# Altium PCB MB1261.PcbDoc (part 3 of 6)
Units mil, origin at the board's own origin, x right, y up, seen from the top; angles counter-clockwise.
Board outline 5119.1 x 2638.79 mil, 6 copper layers (TOP, L2_GND, L3_SIG, L4_VCC, L5_GND, BOTTOM), stack 61 mil thick; 336 components, 316 nets, 1358 pads, 871 vias.
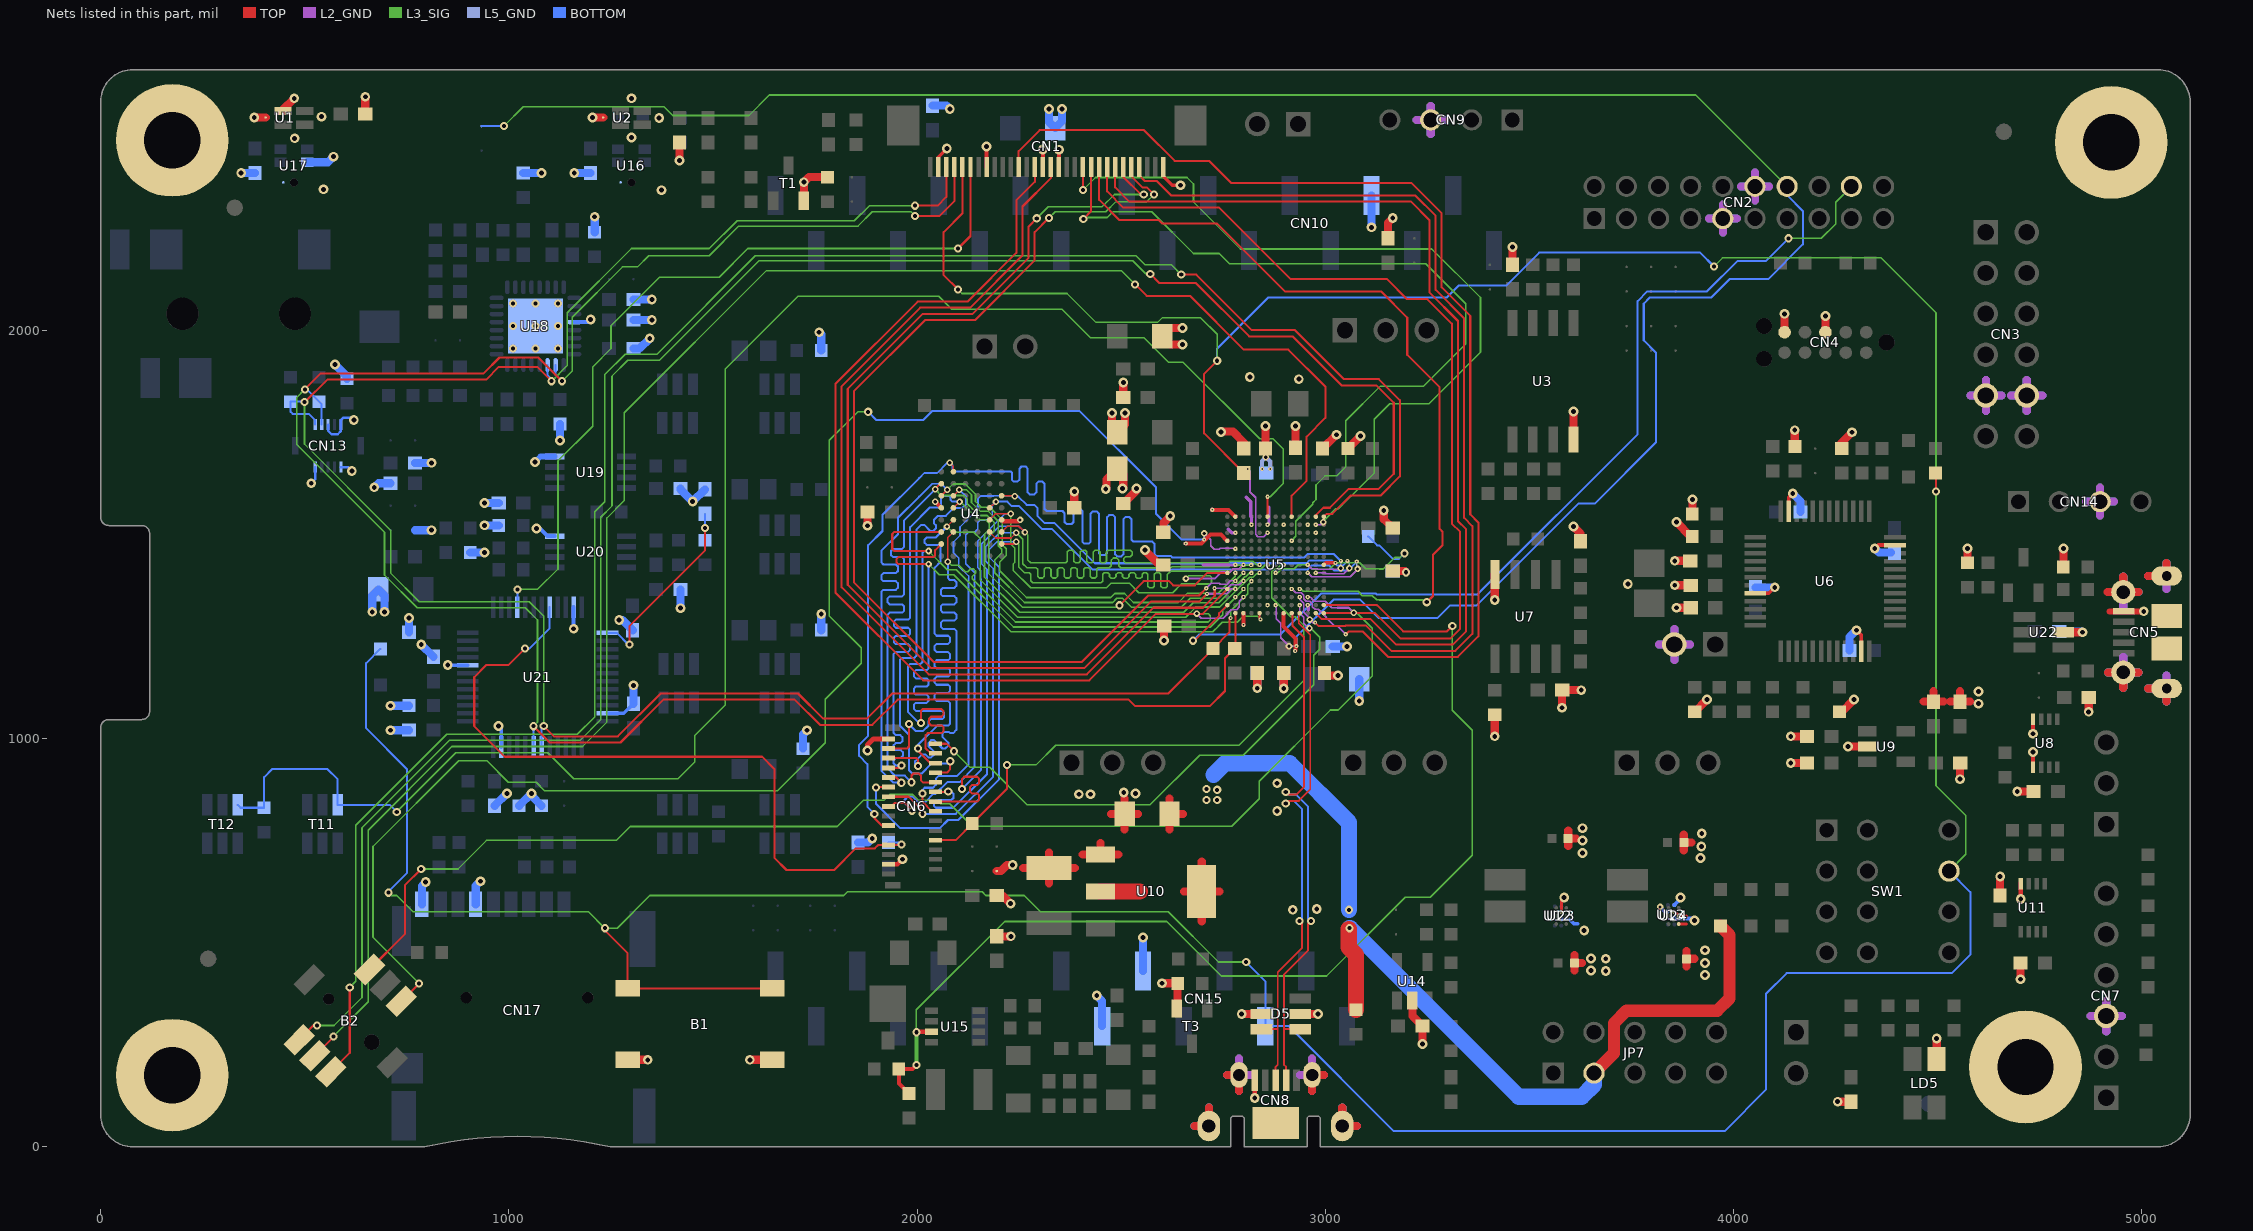
[diagram p7: the nets of this part, all layers, seen from the top]

## Via types
v1: diameter 20, hole 10, TOP to BOTTOM, tented both sides, 317 vias
v2: diameter 24, hole 12, TOP to BOTTOM, tented both sides, 289 vias
v3: diameter 10, hole 4, TOP to L2_GND, tented both sides, 76 vias
v4: diameter 10, hole 4, TOP to L3_SIG, tented both sides, 63 vias
v5: diameter 16, hole 8, L2_GND to L5_GND, tented both sides, 52 vias
v6: diameter 16, hole 8, TOP to BOTTOM, tented both sides, 43 vias
v7: diameter 10, hole 4, L5_GND to BOTTOM, tented both sides, 31 vias

## Nets (pads, with @x,y where several pads share a name; then routed paths per layer and width w, separated by ;. In a path a pad name is that pad's centre, name@x,y a point inside that pad or via, vN(x,y) a via of type N, cw(c..) or ccw(c..) an arc to the next point about the centre after c; other vN are vias at no path point) (continued)
D2: CN6.16 U4.C6 U5.B8 | length 2050.4
  TOP w4: U4.C6@2206.92,1594.29 2237.71,1594.29 v6(2239,1593)
  TOP w5: v1(2013.44,865) 2013.44,844.03 2035.95,821.52 CN6.16@2044.44,821.52
  L2_GND w3.5: v3(2976.53,1405.31) 2999.69,1405.31 3001.94,1403.06 3025.94,1403.06 3026,1403 3045,1403 v5(3059,1417)
  L5_GND w3.5: v7(3054,1434.84) 3058,1430.84 3058,1418 v5(3059,1417)
  BOTTOM w4: 2126,1390 2126,1398 2102,1422 2102,1442 2089,1455 2089,1481 2105,1497 2105,1518 2149,1562 2149,1586.9 2156,1593.9 2187.1,1593.9 2187.2,1594 2238,1594 v6(2239,1593)
  BOTTOM w5: v1(2013.44,865) 2013.44,873.81 2018.63,879 2038.78,879 2046,886.22 2046,901 2052.98,907.98 2097.76,907.98 2126,936.22 2126,1390 ; v6(2239,1593) 2240,1592 2248,1592 2268,1572 2287,1572 2294.5,1564.5 2294.5,1545.5 2312.5,1527.5 2336.72,1527.5 2435.22,1429 2954,1429 2961,1436 3016,1436 3029,1423 3042.16,1423 v7(3054,1434.84)
D3: CN6.15 U4.D5 U5.C8 | length 2179.3
  TOP w4: U4.D5@2177.39,1564.76 2177.76,1564.76 v6(2193,1580)
  TOP w5: CN6.15@1930.26,833.33 1936.38,833.33 1945,841.95 1969.53,841.95 1987.04,824.44 v1(1987.04,822.88)
  L2_GND w3.5: v3(2956.84,1405.31) 2966.59,1395.56 3022.83,1395.56 3022.89,1395.5 3060.49,1395.5 3079,1414 v5(3079,1415)
  L5_GND w3.5: v7(3076.89,1432.88) 3076.89,1416.11 3079,1414 v5(3079,1415)
  BOTTOM w4: 2141,1390 2141,1406 2119,1428 2119,1498 2126,1505 2141,1505 2148,1512 2148,1528 2155,1535 2177,1535 2184,1542 2184,1571 v6(2193,1580)
  BOTTOM w5: v1(1987.04,822.88) 1987.04,823.96 1969,842 1969,849 1978,858 1988,858 2001,845 2020.7,845 2039.7,864 2045,864 2073.98,892.98 2103.98,892.98 2141,930 2141,1390 ; v6(2193,1580) 2221,1580 2232,1569 2249.78,1569 2306.28,1512.5 2330.5,1512.5 2429,1414 2957,1414 2967,1424 3009,1424 3022,1411 3055,1411 v7@3076.77,1432.77 ; v7@3076.78,1432.77 v7(3076.89,1432.88)
D4: CN6.14 U4.E5 U5.L7 | length 1968
  TOP w4: U4.E5@2177.39,1535.24 2192.15,1550 v6(2229,1550)
  TOP w5: CN6.14@2044.44,845.14 2147,845.14 2152,850.14 2152,860.32 2147,865.32 2134,865.32 2129,870.32 2129,880.32 2134,885.32 2147,885.32 2152,890.32 2152,901 2147,906 2115.12,906 2110.12,901 v1(2110.12,876.26)
  L2_GND w3.5: 2766,1407.5 2773.75,1415.25 2789.61,1415.25 v3(2799.36,1425)
  L2_GND w5: v5(2658.48,1391.52) 2729.02,1391.52 2745,1407.5 2766,1407.5
  L3_SIG w4: v6(2229,1550) 2229,1476.2 2239,1466.2 2239,1431 2235,1427 2235,1412 2278,1369 2464,1369 2475,1380 2519.98,1380 2542.98,1357 2626,1357 2647.25,1378.25 2718.25,1378.25 2721,1381 2721,1394.72 2717.39,1398.33 2665.29,1398.33 v5(2658.48,1391.52)
  BOTTOM w4: 2156,1390 2156,1411 2148,1419 2148,1483 2215,1550 v6(2229,1550)
  BOTTOM w5: v1(2110.12,876.26) 2156,922.14 2156,1390
D5: CN6.13 U4.F5 U5.K7 | length 1940.2
  TOP w4: U4.F5@2177.39,1505.71 2192.1,1491 2230,1491 v6(2243,1504)
  TOP w5: CN6.13@1930.26,856.95 1979.3,856.95 2006.62,829.63 2006.62,822.23 v1(2013.45,815.4)
  L3_SIG w4: v6(2243,1504) 2259,1488 2259,1428 2269,1418 2291.08,1418 2295.08,1414 2295.08,1397 2299.08,1393 2307.08,1393 2311.08,1397 2311.08,1414 2315.08,1418 2323.95,1418 2327.95,1414 2327.95,1397 2331.95,1393 2339.95,1393 2343.95,1397 2343.95,1414 2347.95,1418 2355.95,1418 2359.95,1414 2359.95,1397 2363.95,1393 2371.95,1393 2375.95,1397 2375.95,1414 2379.95,1418 2387.95,1418 2391.95,1414 2391.95,1397 2395.95,1393 2403.95,1393 2407.95,1397 2407.95,1414 2411.95,1418 2419.95,1418 2423.95,1414 2423.95,1397 2427.95,1393 2435.95,1393 2439.95,1397 2439.95,1414 2443.95,1418 2470.76,1418 2475.76,1423 2475.76,1437 2480.76,1442 2489,1442 2494,1437 2494,1423 2499,1418 2622.08,1418 2624.08,1420 2764,1420 2768.3,1424.3 v4(2817.7,1424.3)
  BOTTOM w4: 2186,1390 2186,1416 2168,1434 2168,1470 2202,1504 v6(2243,1504)
  BOTTOM w5: v1(2013.45,815.4) 2013.85,815 2094.84,815 2186,906.16 2186,1390
D6: CN6.12 U4.F6 U5.J7 | length 1947.9
  TOP w4: U4.F6@2206.92,1505.71 2221.21,1520 2249.03,1520 v6@2260,1509.03
  TOP w5: CN6.12@2044.44,868.76 2075.23,868.76 v1(2076.16,869.69) ; v6@2260,1509.03 v6(2263.98,1505.05)
  L3_SIG w3.5: 2797,1434 2812.91,1434 2812.96,1434.05 2822.48,1434.05 2831.53,1425 v4(2838.73,1425)
  L3_SIG w4: v6(2263.98,1505.05) 2271,1498.03 2271,1437 2278,1430 2363.76,1430 2367.76,1434 2367.76,1457 2371.76,1461 2379.76,1461 2383.76,1457 2383.76,1434 2387.76,1430 2395.76,1430 2399.76,1434 2399.76,1457 2403.76,1461 2411.76,1461 2415.76,1457 2415.76,1434 2419.76,1430 2427.76,1430 2431.76,1434 2431.76,1457 2435.76,1461 2443.76,1461 2447.76,1457 2447.76,1434 2451.76,1430 2459.76,1430 2463.76,1434 2463.76,1457 2467.76,1461 2522.36,1461 2527,1456.36 2527,1449.8 2522.36,1445.16 2510.44,1445.16 2506,1440.72 2506,1434.44 2510.44,1430 2762.68,1430 2766.68,1434 2797,1434
  BOTTOM w4: 2171,1390 2171,1414 2158,1427 2158,1477 2201,1520 2249.03,1520 v6@2260,1509.03
  BOTTOM w5: v1(2076.16,869.69) 2084,869.69 2089,864.69 2089,854 2084,849 2045.92,849 2040.92,844 2040.92,835 2045.92,830 2088.62,830 2171,912.38 2171,1390 ; v6@2260,1509.03 v6(2263.98,1505.05)
D7: CN6.11 U4.G6 U5.H7 | length 2046.5
  TOP w4: U4.G6@2206.92,1476.18 2237.18,1476.18 v6(2243,1482)
  TOP w5: v1(1899.26,880) 1899.83,880.57 CN6.11@1930.26,880.57
  L3_SIG w3.5: 2617.1,1406 2621.1,1410 2767,1410 2773,1416 2811.51,1416 2812.96,1414.55 2821.04,1414.55 2821.55,1415.06 2843.06,1415.06 2853,1425 v4(2858.41,1425)
  L3_SIG w4: v6(2243,1482) 2249,1476 2249,1420 2263,1406 2274.32,1406 2278.32,1402 2278.32,1386 2283.32,1381 2450.32,1381 2454.32,1385 2454.32,1402 2458.32,1406 2467.12,1406 2471.12,1402 2471.12,1396 2475.12,1392 2483.12,1392 2487.12,1396 2487.12,1401.31 2491.81,1406 2498.43,1406 2503.12,1401.31 2503.12,1396 2507.12,1392 2515.12,1392 2519.12,1396 2519.12,1402 2523.12,1406 2531.12,1406 2535.12,1402 2535.12,1396 2539.12,1392 2547.12,1392 2551.12,1396 2551.12,1402 2555.12,1406 2561.1,1406 2565.1,1402 2565.1,1373 2569.1,1369 2577.1,1369 2581.1,1373 2581.1,1402 2585.1,1406 2593.1,1406 2597.1,1402 2597.1,1373 2601.1,1369 2609.1,1369 2613.1,1373 2613.1,1402 2617.1,1406
  BOTTOM w4: 2201,1390 2201,1419 2177,1443 2177,1463.5 2195.5,1482 v6(2243,1482)
  BOTTOM w5: v1(1899.26,880) 1899.26,839.74 1959,780 2055.48,780 2075.48,800 2101.06,800 2201,899.94 2201,1390
D8: CN6.10 U4.B1 U5.N8 | length 2036.8
  TOP w5: v1(1986.1,892.44) 1986.1,909 1991.1,914 2004,914 2009,909 2009,897.39 2014,892.39 CN6.10@2044.44,892.39 ; v6(2044,1610) 2044,1611.36 2056.46,1623.82 U4.B1@2059.28,1623.82 ; v1(2496,1326) 2555,1385 2617.1,1385 2627.1,1375 2680,1375 2710.31,1405.31 U5.N8@2759.99,1405.31
  L3_SIG w4: v6(2044,1610) 2059,1595 2114.64,1595 2123,1586.64 2123,1575 2152,1546 2172,1546 2189,1529 2189,1509 2175,1495 2175,1404 2258,1321 2491,1321 v1(2496,1326)
  BOTTOM w4: 2005,1571 v6(2044,1610)
  BOTTOM w5: v1(1986.1,892.44) 1969.66,908.88 1945.78,908.88 1927.5,927.16 1927.5,1303.03 1932.5,1308.03 1963,1308.03 1968,1313.03 1968,1323.03 1963,1328.03 1932.5,1328.03 1927.5,1333.03 1927.5,1343.03 1932.5,1348.03 1963,1348.03 1968,1353.03 1968,1439.06 1963,1444.06 1941,1444.06 1936,1449.06 1936,1459.06 1941,1464.06 1963,1464.06 1968,1469.06 1968,1534 2005,1571
D9: CN6.9 U4.C1 U5.M8 | length 2029.8
  TOP w4: U4.C1@2059.28,1594.29 v6(2074,1609.01)
  TOP w5: CN6.9@1930.26,904.2 1948.3,904.2 v1(1961.12,891.38)
  L3_SIG w3.5: 2662,1355 2738,1355 2779.67,1396.67 v4(2779.67,1405.31)
  L3_SIG w4: v6(2074,1609.01) 2087.99,1623 2118,1623 2143,1598 2143,1580.1 2157.2,1565.9 2178.1,1565.9 2208,1536 2208,1474.56 2218,1464.56 2218,1448 2202,1432 2202,1410.96 2267.96,1345 2473.96,1345 2483.96,1355 2508.03,1355 2530.03,1333 2640,1333 2662,1355
  BOTTOM w4: 2005,1592.22 2036.78,1624 2059.01,1624 v6(2074,1609.01)
  BOTTOM w5: v1(1961.12,891.38) 1942.06,891.38 1912.5,920.94 1912.5,1359 1917.5,1364 1948,1364 1953,1369 1953,1380 1948,1385 1917.5,1385 1912.5,1390 1912.5,1400 1917.5,1405 1948,1405 1953,1410 1953,1421 1948,1426 1917.5,1426 1912.5,1431 1912.5,1459.5 1953,1500 1953,1540.22 2005,1592.22
D10: CN6.8 U4.C2 U5.L8 | length 2014.5
  TOP w4: U4.C2@2088.81,1594.29 2102,1607.48 2102,1608 v6(2103,1609)
  TOP w5: CN6.8@2044.44,916.01 2073.01,916.01 2081,924 v1(2081,944)
  L3_SIG w3.5: 2669,1343 2737.05,1343 v4(2799.36,1405.31)
  L3_SIG w4: v6(2103,1609) 2120.68,1609 2133,1596.68 2133,1578 2155,1556 2175,1556 2199,1532 2199,1471.68 2207,1463.68 2207,1453.9 2190,1436.9 2190,1405.98 2262.98,1333 2478.95,1333 2488.95,1343 2503.05,1343 2525.05,1321 2647,1321 2669,1343
  BOTTOM w5: v1(2081,944) 2075,938 2035,938 2011,914 1988,914 1980,922 1980,1009 1957.5,1031.5 1957.5,1192 1962.5,1197 1993,1197 1998,1202 1998,1511 2009.99,1522.99 2017.07,1522.99 2031.99,1508.07 2039.07,1508.07 2046.14,1515.14 2046.14,1522.22 2041,1527.36 2041,1535 2051,1545 2070,1545 2089.5,1564.5 2110.5,1564.5 2120,1574 2120,1592 v6(2103,1609)
D11: CN6.7 U4.D2 U5.K8 | length 2022.5
  TOP w4: U4.D2@2088.81,1564.76 v6(2104,1580)
  TOP w5: CN6.7@1930.26,927.82 1955.14,927.82 v1(1961.26,933.94)
  L3_SIG w3.5: 2617.1,1309 2653,1309 2676,1332 2739,1332 2802.56,1395.56 2804.7,1395.56 2813.94,1404.8 v4(2818,1404.8)
  L3_SIG w4: v6(2104,1580) 2106,1580 2150,1536 2167,1536 2177,1526 2177,1512 2165,1500 2165,1394.96 2250.96,1309 2617.1,1309
  BOTTOM w5: v1(1961.26,933.94) 1947.06,933.94 1942.5,938.5 1942.5,947 1947.5,952 1960,952 1965,957 1965,966 1960,971 1947.5,971 1942.5,976 1942.5,983.14 1947.5,988.14 1959,988.14 1964,993.14 1964,1003.14 1959,1008.14 1947.5,1008.14 1942.5,1013.14 1942.5,1207 1947.5,1212 1978,1212 1983,1217 1983,1225.97 1978,1230.97 1948,1230.97 1943,1235.97 1943,1245.97 1948,1250.97 1978,1250.97 1983,1255.97 1983,1265.97 1978,1270.97 1948,1270.97 1943,1275.97 1943,1285.97 1948,1290.97 1978,1290.97 1983,1295.97 1983,1517.22 2031.28,1565.5 2052.5,1565.5 2058.5,1571.5 2058.5,1589.5 2063,1594 2078,1594 2082,1590 2082,1584 2086,1580 v6(2104,1580)
D12: CN6.6 U4.E2 U5.J8 | length 2001.6
  TOP w4: v6(2073,1519) U4.E2@2089,1535 ; U4.E2@2088.81,1535.24 U4.E2@2089,1535.05
  TOP w5: v1(2002,975.38) 2002,970 2032.37,939.63 CN6.6@2044.44,939.63
  L3_SIG w4: v6(2073,1519) 2087,1505 2138.8,1505 2155,1488.8 2155,1387.98 2245.98,1297 2657.91,1297 2682.91,1322 2741.27,1322 2795.21,1375.94 2796.05,1375.94 2814.85,1394.74 2822.76,1394.74 2831.15,1403.13 2836.55,1403.13 v4(2838.73,1405.31)
  BOTTOM w5: v1(2002,975.38) 2002,984.41 2049,1031.41 2076,1031.41 2081,1036.41 2081,1086.41 2076,1091.41 2048,1091.41 2043,1096.41 2043,1106.41 2048,1111.41 2076,1111.41 2081,1116.41 2081,1126.41 2076,1131.41 2048,1131.41 2043,1136.41 2043,1146.41 2048,1151.41 2076,1151.41 2081,1156.41 2081,1166.41 2076,1171.41 2048,1171.41 2043,1176.41 2043,1186.41 2048,1191.41 2076,1191.41 2081,1196.41 2081,1206.41 2076,1211.41 2048,1211.41 2043,1216.41 2043,1226.41 2048,1231.41 2076,1231.41 2081,1236.41 2081,1246.41 2076,1251.41 2048,1251.41 2043,1256.41 2043,1418.08 2057,1432.08 2057,1469 2052,1474 2023,1474 2018,1479 2018,1487 2023,1492 2046,1492 v6(2073,1519)
D13: CN6.5 U4.F2 U5.L11 | length 1964.6
  TOP w4: v6(2075,1433) 2075,1491.9 U4.F2@2088.81,1505.71
  TOP w5: CN6.5@1930.26,951.44 1998.43,951.44 2001.88,947.99 v1(2001.88,932)
  L2_GND w3.5: v5(2685,1305.7) 2696.3,1294.4 2749.4,1294.4 2770,1315 2782.41,1315 2789.42,1322.01 2789.42,1336.31 v3(2799.36,1346.25)
  L3_SIG w4: v6(2075,1433) 2084,1424 2102,1424 2118.14,1407.86 2123.8,1407.86 2131.64,1415.7 2137.3,1415.7 2142.96,1410.04 2142.96,1404.38 2135.12,1396.54 2135.12,1390.88 2241,1285 2713,1285 2718,1290 2718,1300.7 2713,1305.7 v5(2685,1305.7)
  BOTTOM w5: v1(2001.88,932) 1995,938.88 1995,944 2012.04,961.04 2019.49,961.04 2027.22,953.29 2034.28,953.29 2041.4,960.4 2041.4,967.44 2027.44,981.38 2027.44,988.44 2034.54,995.54 2041.6,995.54 2062.02,975.1 2069.09,975.1 2076.2,982.19 2076.2,989.24 2061.94,1003.49 2061.94,1011 2066.94,1016 2077.72,1016 2081.01,1012.71 2088.07,1012.71 2096,1020.64 2096,1263.43 2091,1268.43 2063,1268.43 2058,1273.43 2058,1283.43 2063,1288.43 2091,1288.43 2096,1293.43 2096,1303.43 2091,1308.43 2063,1308.43 2058,1313.43 2058,1323.43 2063,1328.43 2091,1328.43 2096,1333.43 2096,1343.43 2091,1348.43 2063,1348.43 2058,1353.43 2058,1363.43 2063,1368.43 2091,1368.43 2096,1373.43 2096,1383 2091,1388 2080,1388 2075,1393 v6(2075,1433)
D14: CN6.4 U4.F1 U5.L10 | length 1931.6
  TOP w5: v1(2009,1037.38) 2009,1067 2014,1072 2059,1072 2064,1067 2064,1058 2059,1053 2034,1053 2029,1048 2029,1037 2034,1032 2060,1032 2065,1027 2065,1018 2060,1013 2025.5,1013 2020.5,1008 2020.5,975.88 2033.13,963.25 CN6.4@2044.44,963.25 ; v6(2028,1459) 1944,1459 1939,1464 1939,1500.71 1944,1505.71 U4.F1@2059.28,1505.71
  L3_SIG w3.5: 2721,1275 2749,1303 2749,1314 2799.36,1364.36 v4(2799.36,1365.94)
  L3_SIG w4: v6(2028,1459) 2074,1413 2096,1413 2236,1273 2719,1273 2721,1275
  BOTTOM w5: v1(2009,1037.38) 2004.62,1037.38 1977,1065 1977,1177 1982,1182 2008,1182 2013,1187 2013,1455 2017,1459 v6(2028,1459)
D15: CN6.3 U4.G1 U5.J13 | length 1952.4
  TOP w5: CN6.3@1930.26,975.06 1975,975.06 1980,980.06 v1(1980,1035) ; v6(2028,1427) 1953.98,1427 1949,1431.98 1949,1439.02 1953.98,1444 2040,1444 2044,1448 2044,1460.9 U4.G1@2059.28,1476.18 ; U5.J13@2838.73,1306.89 2838.73,1294.14 v4(2841.25,1291.62)
  L3_SIG w3.5: 2738,1275 2747,1284 2784,1284 2799,1299 2833.87,1299 v4(2841.25,1291.62)
  L3_SIG w4: v6(2028,1427) 2054,1401 2090,1401 2230,1261 2724,1261 2738,1275
  BOTTOM w5: v1(1980,1035) 1997.19,1017.81 2014.18,1017.81 2028,1031.63 2028,1042.17 2033,1047.17 2061,1047.17 2066,1052.17 2066,1062.17 2061,1067.17 1997,1067.17 1992,1072.17 1992,1082 1997,1087 2023,1087 2028,1092 2028,1102 2023,1107 1997,1107 1992,1112 1992,1122 1997,1127 2023,1127 2028,1132 2028,1142 2023,1147 1997,1147 1992,1152 1992,1162 1997,1167 2023,1167 2028,1172 v6(2028,1427)
D_N: CN8.2 D5.4 U5.E13 | length 1305.9
  TOP w4.8: v1(2903,868.5) 2909.5,862 2928.78,862 2948,881.22 2948,1247.13 2919.81,1275.32 2919.81,1304.55 U5.E13@2917.47,1306.89 ; CN8.2@2903.69,162.8 2903.69,195.3 2898.39,200.6 2898.39,287.6 ; D5.4@2938.13,287.6 2898.39,287.6 ; v1(2964.5,552.69) 2958,546.19 2958,481 2898.39,421.39 2898.39,287.6
  BOTTOM w4.8: v1(2903,868.5) 2909.5,862 2929,862 2958,833 2958,559.19 v1(2964.5,552.69)
D_P: CN8.3 D5.3 U5.D13 | length 1305.9
  TOP w4.8: D5.3@2843.65,287.6 2883.39,287.6 ; CN8.3@2878.1,162.8 2878.1,195.31 2883.39,200.6 2883.39,287.6 ; v1(2903,840.5) 2909.5,847 2935,847 2963,875 2963,1253.35 2934.81,1281.54 2934.81,1304.54 U5.D13@2937.16,1306.89 ; v1(2936.5,552.69) 2943,546.19 2943,487.22 2883.39,427.61 2883.39,287.6
  BOTTOM w4.8: v1(2903,840.5) 2909.5,847 2922.78,847 2943,826.78 2943,559.19 v1(2936.5,552.69)
DATIN3: CN2.17 SB17.2 U5.G12 | length 5571.4
  L2_GND w3.5: v3(2878.1,1326.57) 2879.1,1325.57 2879.1,1293.19 2890.7,1281.59 2890.7,1247.01 2910.91,1226.8 v5(2910.91,1225.9)
  L3_SIG w4: v1(988,2500) 1035,2547 1380,2547 1401,2526 1588,2526 1638,2576 3907.37,2576 CN2.17@4131.21,2352.16
  L5_GND w3.5: v5(2910.91,1225.9) v7(2929.1,1225.9)
  BOTTOM w5: SB17.2@933.1,2500 v1(988,2500) ; v7(2929.1,1225.9) 2929.1,1249.1 3020,1340 3085,1340 3130,1295 3275,1295 3305,1325 3370,1325 3620,1575 3660,1575 3810,1725 3810,1945 3780,1975 3780,2065 3795,2080 3945,2080 3990,2125 4085,2125 4170,2210 4170,2292 4131.21,2330.79 CN2.17@4131.21,2352.16
DCMI_CLK: R100.2 U5.G8 | length 473.5
  L3_SIG w3.5: v4(2878.1,1405.31) 2883.31,1405.31 2893.06,1415.06 2923.57,1415.06 2933.51,1425 2957,1425 2967.75,1414.25 3009.25,1414.25 3025,1430 3084.39,1430 3099.39,1415 3132,1415
  L3_SIG w4: 3132,1415 3141.98,1415 3169.98,1443 3183.08,1443 v1(3193.49,1453.41)
  BOTTOM w5: R100.2@3105,1495 3127,1473 3132.17,1473 3165.17,1440 3180.08,1440 v1(3193.49,1453.41)
DCMI_D0: CN1.4 U5.D11 | length 2363.3
  TOP w5: CN1.4@2544.04,2400 2544.04,2379.08 2558.12,2365 2587.5,2365 2622.5,2330 3220,2330 3270,2280 3270,2098.66 3340,2028.66 3340,1540 3360,1520 3360,1256.34 3318.16,1214.5 3161.51,1214.5 3099.1,1276.89 3050.67,1276.89 3048.78,1275 2983.45,1275 v3(2975,1283.45)
  L2_GND w3.5: v3(2937.16,1346.26) 2937.16,1340.36 2946.91,1330.61 2946.91,1322.53 2946.59,1322.21 2946.59,1312.23 2947,1311.82 2947,1309.5 2962,1294.5 v5(2962,1291) 2969.55,1283.45 v3(2975,1283.45)
DCMI_D1: CN1.5 U5.M9 | length 2639.7
  TOP w5: v1(2323,2275) 2288,2240 2288,2171 2142,2025 2020,2025 1845,1850 1845,1382.44 2040.44,1187 2403.22,1187 2566.22,1350 2690.5,1350 v3(2708.3,1367.8) ; CN1.5@2524.36,2400 2524.36,2377.54 2551.9,2350 2562.55,2350 v1(2580.05,2332.5)
  L2_GND w3.5: v3(2708.3,1367.8) 2721.05,1380.55 2739.45,1380.55 2742,1378 2759.37,1378 2767,1385.63 v3(2779.67,1385.63)
  L3_SIG w4: v1(2323,2275) 2338,2290 2462,2290 2487,2315 2562.55,2315 v1(2580.05,2332.5)
DCMI_D2: CN1.6 U5.M10 | length 2654.7
  TOP w5: v1(2293,2274) 2273,2254 2273,2177.22 2135.78,2040 2013.78,2040 1830,1856.22 1830,1376.22 2034.22,1172 2409.44,1172 2572.44,1335 2691.15,1335 v3(2710.05,1353.9) ; CN1.6@2504.67,2400 2504.67,2375.33 2547.5,2332.5 v1(2555.05,2332.5)
  L2_GND w3.5: 2725.7,1354.3 2758.36,1354.3 2770,1365.94 v3(2779.67,1365.94)
  L2_GND w5: v3(2710.05,1353.9) 2710.45,1354.3 2725.7,1354.3
  L3_SIG w4: v1(2293,2274) 2321,2302 2453,2302 2483.5,2332.5 v1(2555.05,2332.5)
DCMI_D3: CN1.7 U5.B13 | length 2312.1
  TOP w5: CN1.7@2484.99,2400 2484.99,2350 2519.99,2315 3210,2315 3255,2270 3255,2092.44 3325,2022.44 3325,1532.13 3345,1512.13 3345,1262.56 3311.94,1229.5 3173.5,1229.5 3111.11,1291.89 2991.53,1291.89 U5.B13@2976.53,1306.89
DCMI_D4: CN1.8 U5.A13 | length 2164.2
  TOP w5: CN1.8@2465.3,2400 2465.3,2340 2505.3,2300 2740,2300 2915,2125 3151.22,2125 3200,2076.22 3250,2076.22 3310,2016.22 3310,1525.91 3330,1505.91 3330,1268.78 3305.72,1244.5 3184.4,1244.5 3122,1306.9 3105.69,1306.9 U5.A13@2996.21,1306.89
DCMI_D5: CN1.9 U5.D10 | length 2028.7
  TOP w5: CN1.9@2445.62,2400 2445.62,2319.38 2495,2270 2592,2270 2601,2261 2734.78,2261 2900.78,2095 3136.22,2095 3200.6,2030.62 3200.6,1939.4 3280,1860 3280,1513.47 3287,1506.47 3287,1473.22 3263.7,1449.92 3263.7,1348.7 3248.62,1333.62 v1(3248.39,1333.62)
  L3_SIG w3.5: v4(2937.16,1365.94) 2940,1365.94 2945.94,1360 3080,1360 3090,1350 3115,1350 3126,1339 3132,1339
  L3_SIG w4: 3132,1339 3242,1339 3247.38,1333.62 v1(3248.39,1333.62)
DCMI_D6: CN1.10 U5.E4 | length 2010.2
  TOP w5: v1(2407,2272) 2425.93,2290.93 CN1.10@2425.93,2400
  L3_SIG w3.5: v4(2917.47,1484.06) 2928,1494.59 2928,1532 2969.1,1573.1 2969.1,1577.08
  L3_SIG w4: v1(2407,2272) 2411,2276 2466,2276 2480,2290 2575,2290 2677,2188 2740,2188 2765,2163 3246.06,2163 3344,2065.06 3344,1966 3241,1863 3135,1863 3050,1778 3050,1664.98 3028,1642.98 2999.12,1642.98 2977,1620.86 2977,1584.98 2969.1,1577.08
DCMI_D7: CN1.11 U5.B2 | length 1982.3
  TOP w5: v1(2406.25,2343) CN1.11@2406.25,2400
  L2_GND w3.5: v3(2976.53,1523.43) 2988.43,1523.43 v5(2995,1530)
  L3_SIG w3.5: v5(2995,1530) 2995,1531.98 3026.02,1563 3030,1563
  L3_SIG w4: v1(2406.25,2343) 2406.25,2343.25 2437,2374 2661,2374 2677,2358 2677,2314 2792,2199 3261,2199 3380,2080 3380,1946 3254,1820 3158,1820 3120.01,1782.01 3120.01,1649.98 3033.03,1563 3030,1563
DCMI_HSYNC: CN1.17 U5.N10 | length 2459.3
  TOP w5: CN1.17@2288.14,2400 2288.14,2363.14 2243,2318 2243,2189.66 2123.34,2070 2001.34,2070 1800,1868.66 1800,1356.51 2014.51,1142 2421.88,1142 2584.88,1305 2700,1305 2759.99,1364.99 U5.N10@2759.99,1365.94
DCMI_I2C2_SCL: CN1.28 CN13.5 R42.2 R88.2 U5.K9 U18.3 U21.42 | length 5386.1
  TOP w5: v1(499,1824) 500,1824 555,1879 944,1879 975,1910 1069.53,1910 v1(1104.53,1875) ; v1(1085.16,1029.97) 1110.13,1005 1266.92,1005 1371.92,1110 1708,1110 1769,1049 1878,1049 1939,1110 2615,1110 R42.2@2725,1220 2764.67,1259.67 2764.67,1291.49 v4(2767.92,1294.74) ; v1(1995,2305) 2050,2305 2071.6,2326.6 CN1.28@2071.6,2400
  L3_SIG w3.5: v4(2767.92,1294.74) 2767.92,1312.92 2809.29,1354.29 2809.29,1375.03 v4(2819,1384.74)
  L3_SIG w4: v1(499,1824) 499,1721 710,1510 710,1405 780,1335 1050,1335 1085.16,1299.84 v1(1085.16,1029.97) ; v1(1104.53,1875) 1143,1913.47 1143,2043 1300,2200 1491.02,2200 1559.02,2268 1846.02,2268 1883.02,2305 v1(1995,2305)

## Text inside footprints (layer, text, board x,y; h text height)
R86: DXF_0731 "Remark: ***" at 862,1972 h25; DXF_0731 "Rev   : B1" at 862,2012 h25; DXF_0731 "Date  : 2007-05-10" at 862,2052 h25; DXF_0731 "Creat : Sofer Tech" at 862,2092 h25; DXF_0731 "Ref PN: ***" at 862,2132 h25; DXF_0731 "Sofer Lib Information" at 892,2182 h25; DXF_0731 "RC0603JR-07510RL" at 735,2028 h20; DXF_0731 "Approved" at 735,2022 h35; DXF_0731 "R0603" at 735,1905 h30; DXF_0731 "2" at 705,1916.4 h16; DXF_0731 "1" at 765,1916.4 h16
R87: DXF_0731 "1" at 541.4,1825 h16 r270; DXF_0731 "2" at 541.4,1885 h16 r270; DXF_0731 "R0603" at 530,1855 h30 r270; DXF_0731 "Approved" at 647,1855 h35 r270; DXF_0731 "RC0603JR-07510RL" at 653,1855 h20 r270; DXF_0731 "Sofer Lib Information" at 807,1698 h25 r270; DXF_0731 "Ref PN: ***" at 757,1728 h25 r270; DXF_0731 "Creat : Sofer Tech" at 717,1728 h25 r270; DXF_0731 "Date  : 2007-05-10" at 677,1728 h25 r270; DXF_0731 "Rev   : B1" at 637,1728 h25 r270; DXF_0731 "Remark: ***" at 597,1728 h25 r270
R88: DXF_0731 "Remark: ***" at 403,1982 h25 r90; DXF_0731 "Rev   : B1" at 363,1982 h25 r90; DXF_0731 "Date  : 2007-05-10" at 323,1982 h25 r90; DXF_0731 "Creat : Sofer Tech" at 283,1982 h25 r90; DXF_0731 "Ref PN: ***" at 243,1982 h25 r90; DXF_0731 "Sofer Lib Information" at 193,2012 h25 r90; DXF_0731 "RC0603JR-07510RL" at 347,1855 h20 r90; DXF_0731 "Approved" at 353,1855 h35 r90; DXF_0731 "R0603" at 470,1855 h30 r90; DXF_0731 "2" at 458.6,1825 h16 r90; DXF_0731 "1" at 458.6,1885 h16 r90
R89: DXF_0731 "Remark: ***" at 665,1724 h25 r270; DXF_0731 "Rev   : B1" at 705,1724 h25 r270; DXF_0731 "Date  : 2007-05-10" at 745,1724 h25 r270; DXF_0731 "Creat : Sofer Tech" at 785,1724 h25 r270; DXF_0731 "Ref PN: ***" at 825,1724 h25 r270; DXF_0731 "Sofer Lib Information" at 875,1694 h25 r270; DXF_0731 "RC0603JR-07510RL" at 721,1851 h20 r270; DXF_0731 "Approved" at 715,1851 h35 r270; DXF_0731 "R0603" at 598,1851 h30 r270; DXF_0731 "2" at 609.4,1881 h16 r270; DXF_0731 "1" at 609.4,1821 h16 r270
R90: DXF_0731 "Remark: ***" at 862,1902 h25; DXF_0731 "Rev   : B1" at 862,1942 h25; DXF_0731 "Date  : 2007-05-10" at 862,1982 h25; DXF_0731 "Creat : Sofer Tech" at 862,2022 h25; DXF_0731 "Ref PN: ***" at 862,2062 h25; DXF_0731 "Sofer Lib Information" at 892,2112 h25; DXF_0731 "RC0603JR-07510RL" at 735,1958 h20; DXF_0731 "Approved" at 735,1952 h35; DXF_0731 "R0603" at 735,1835 h30; DXF_0731 "2" at 705,1846.4 h16; DXF_0731 "1" at 765,1846.4 h16
R91: DXF_0731 "1" at 1131.4,1770 h16 r270; DXF_0731 "2" at 1131.4,1830 h16 r270; DXF_0731 "R0603" at 1120,1800 h30 r270; DXF_0731 "Approved" at 1237,1800 h35 r270; DXF_0731 "RC0603JR-07510RL" at 1243,1800 h20 r270; DXF_0731 "Sofer Lib Information" at 1397,1643 h25 r270; DXF_0731 "Ref PN: ***" at 1347,1673 h25 r270; DXF_0731 "Creat : Sofer Tech" at 1307,1673 h25 r270; DXF_0731 "Date  : 2007-05-10" at 1267,1673 h25 r270; DXF_0731 "Rev   : B1" at 1227,1673 h25 r270; DXF_0731 "Remark: ***" at 1187,1673 h25 r270
R92: DXF_0731 "1" at 1420,1673.3 h16; DXF_0731 "2" at 1360,1673.3 h16; DXF_0731 "R0603" at 1390,1661.9 h30; DXF_0731 "Approved" at 1390,1778.9 h35; DXF_0731 "RC0603JR-07510RL" at 1390,1784.9 h20; DXF_0731 "Sofer Lib Information" at 1547,1938.9 h25; DXF_0731 "Ref PN: ***" at 1517,1888.9 h25; DXF_0731 "Creat : Sofer Tech" at 1517,1848.9 h25; DXF_0731 "Date  : 2007-05-10" at 1517,1808.9 h25; DXF_0731 "Rev   : B1" at 1517,1768.9 h25; DXF_0731 "Remark: ***" at 1517,1728.9 h25
R93: DXF_0731 "Remark: ***" at 2883,1583 h25 r180; DXF_0731 "Rev   : B1" at 2883,1543 h25 r180; DXF_0731 "Date  : 2007-05-10" at 2883,1503 h25 r180; DXF_0731 "Creat : Sofer Tech" at 2883,1463 h25 r180; DXF_0731 "Ref PN: ***" at 2883,1423 h25 r180; DXF_0731 "Sofer Lib Information" at 2853,1373 h25 r180; DXF_0731 "RC0603JR-07510RL" at 3010,1527 h20 r180; DXF_0731 "Approved" at 3010,1533 h35 r180; DXF_0731 "R0603" at 3010,1650 h30 r180; DXF_0731 "2" at 3040,1638.6 h16 r180; DXF_0731 "1" at 2980,1638.6 h16 r180
R94: DXF_0731 "1" at 1705,1603.6 h16 r180; DXF_0731 "2" at 1765,1603.6 h16 r180; DXF_0731 "R0603" at 1735,1615 h30 r180; DXF_0731 "Approved" at 1735,1498 h35 r180; DXF_0731 "RC0603JR-07510RL" at 1735,1492 h20 r180; DXF_0731 "Sofer Lib Information" at 1578,1338 h25 r180; DXF_0731 "Ref PN: ***" at 1608,1388 h25 r180; DXF_0731 "Creat : Sofer Tech" at 1608,1428 h25 r180; DXF_0731 "Date  : 2007-05-10" at 1608,1468 h25 r180; DXF_0731 "Rev   : B1" at 1608,1508 h25 r180; DXF_0731 "Remark: ***" at 1608,1548 h25 r180
R95: DXF_0731 "2" at 1628.6,1610 h16 r180; DXF_0731 "1" at 1558.6,1610 h16 r180; DXF_0731 "Approved" at 1488,1610 h35 r180; DXF_0731 "R0805" at 1540,1685 h30 r180
R96: DXF_0731 "1" at 1215,1548.6 h16 r180; DXF_0731 "2" at 1275,1548.6 h16 r180; DXF_0731 "R0603" at 1245,1560 h30 r180; DXF_0731 "Approved" at 1245,1443 h35 r180; DXF_0731 "RC0603JR-07510RL" at 1245,1437 h20 r180; DXF_0731 "Sofer Lib Information" at 1088,1283 h25 r180; DXF_0731 "Ref PN: ***" at 1118,1333 h25 r180; DXF_0731 "Creat : Sofer Tech" at 1118,1373 h25 r180; DXF_0731 "Date  : 2007-05-10" at 1118,1413 h25 r180; DXF_0731 "Rev   : B1" at 1118,1453 h25 r180; DXF_0731 "Remark: ***" at 1118,1493 h25 r180
R97: DXF_0731 "Remark: ***" at 1252,1617 h25; DXF_0731 "Rev   : B1" at 1252,1657 h25; DXF_0731 "Date  : 2007-05-10" at 1252,1697 h25; DXF_0731 "Creat : Sofer Tech" at 1252,1737 h25; DXF_0731 "Ref PN: ***" at 1252,1777 h25; DXF_0731 "Sofer Lib Information" at 1282,1827 h25; DXF_0731 "RC0603JR-07510RL" at 1125,1673 h20; DXF_0731 "Approved" at 1125,1667 h35; DXF_0731 "R0603" at 1125,1550 h30; DXF_0731 "2" at 1095,1561.4 h16; DXF_0731 "1" at 1155,1561.4 h16
R98: DXF_0731 "Remark: ***" at 1132,1583.9 h25; DXF_0731 "Rev   : B1" at 1132,1623.9 h25; DXF_0731 "Date  : 2007-05-10" at 1132,1663.9 h25; DXF_0731 "Creat : Sofer Tech" at 1132,1703.9 h25; DXF_0731 "Ref PN: ***" at 1132,1743.9 h25; DXF_0731 "Sofer Lib Information" at 1162,1793.9 h25; DXF_0731 "RC0603JR-07510RL" at 1005,1639.9 h20; DXF_0731 "Approved" at 1005,1633.9 h35; DXF_0731 "R0603" at 1005,1516.9 h30; DXF_0731 "2" at 975,1528.3 h16; DXF_0731 "1" at 1035,1528.3 h16
R99: DXF_0731 "Remark: ***" at 748,1453 h25 r180; DXF_0731 "Rev   : B1" at 748,1413 h25 r180; DXF_0731 "Date  : 2007-05-10" at 748,1373 h25 r180; DXF_0731 "Creat : Sofer Tech" at 748,1333 h25 r180; DXF_0731 "Ref PN: ***" at 748,1293 h25 r180; DXF_0731 "Sofer Lib Information" at 718,1243 h25 r180; DXF_0731 "RC0603JR-07510RL" at 875,1397 h20 r180; DXF_0731 "Approved" at 875,1403 h35 r180; DXF_0731 "R0603" at 875,1520 h30 r180; DXF_0731 "2" at 905,1508.6 h16 r180; DXF_0731 "1" at 845,1508.6 h16 r180
R100: DXF_0731 "1" at 3165,1501.4 h16; DXF_0731 "2" at 3105,1501.4 h16; DXF_0731 "R0603" at 3135,1490 h30; DXF_0731 "Approved" at 3135,1607 h35; DXF_0731 "RC0603JR-07510RL" at 3135,1613 h20; DXF_0731 "Sofer Lib Information" at 3292,1767 h25; DXF_0731 "Ref PN: ***" at 3262,1717 h25; DXF_0731 "Creat : Sofer Tech" at 3262,1677 h25; DXF_0731 "Date  : 2007-05-10" at 3262,1637 h25; DXF_0731 "Rev   : B1" at 3262,1597 h25; DXF_0731 "Remark: ***" at 3262,1557 h25
R101: DXF_0731 "1" at 975,1460.5 h16 r180; DXF_0731 "2" at 1035,1460.5 h16 r180; DXF_0731 "R0603" at 1005,1471.9 h30 r180; DXF_0731 "Approved" at 1005,1354.9 h35 r180; DXF_0731 "RC0603JR-07510RL" at 1005,1348.9 h20 r180; DXF_0731 "Sofer Lib Information" at 848,1194.9 h25 r180; DXF_0731 "Ref PN: ***" at 878,1244.9 h25 r180; DXF_0731 "Creat : Sofer Tech" at 878,1284.9 h25 r180; DXF_0731 "Date  : 2007-05-10" at 878,1324.9 h25 r180; DXF_0731 "Rev   : B1" at 878,1364.9 h25 r180; DXF_0731 "Remark: ***" at 878,1404.9 h25 r180
R102: DXF_0731 "Remark: ***" at 1418,1582 h25 r90; DXF_0731 "Rev   : B1" at 1378,1582 h25 r90; DXF_0731 "Date  : 2007-05-10" at 1338,1582 h25 r90; DXF_0731 "Creat : Sofer Tech" at 1298,1582 h25 r90; DXF_0731 "Ref PN: ***" at 1258,1582 h25 r90; DXF_0731 "Sofer Lib Information" at 1208,1612 h25 r90; DXF_0731 "RC0603JR-07510RL" at 1362,1455 h20 r90; DXF_0731 "Approved" at 1368,1455 h35 r90; DXF_0731 "R0603" at 1485,1455 h30 r90; DXF_0731 "2" at 1473.6,1425 h16 r90; DXF_0731 "1" at 1473.6,1485 h16 r90
R103: DXF_0731 "1" at 1408.6,1485 h16 r90; DXF_0731 "2" at 1408.6,1425 h16 r90; DXF_0731 "R0603" at 1420,1455 h30 r90; DXF_0731 "Approved" at 1303,1455 h35 r90; DXF_0731 "RC0603JR-07510RL" at 1297,1455 h20 r90; DXF_0731 "Sofer Lib Information" at 1143,1612 h25 r90; DXF_0731 "Ref PN: ***" at 1193,1582 h25 r90; DXF_0731 "Creat : Sofer Tech" at 1233,1582 h25 r90; DXF_0731 "Date  : 2007-05-10" at 1273,1582 h25 r90; DXF_0731 "Rev   : B1" at 1313,1582 h25 r90; DXF_0731 "Remark: ***" at 1353,1582 h25 r90
R104: DXF_0731 "1" at 845,1448.6 h16 r180; DXF_0731 "2" at 905,1448.6 h16 r180; DXF_0731 "R0603" at 875,1460 h30 r180; DXF_0731 "Approved" at 875,1343 h35 r180; DXF_0731 "RC0603JR-07510RL" at 875,1337 h20 r180; DXF_0731 "Sofer Lib Information" at 718,1183 h25 r180; DXF_0731 "Ref PN: ***" at 748,1233 h25 r180; DXF_0731 "Creat : Sofer Tech" at 748,1273 h25 r180; DXF_0731 "Date  : 2007-05-10" at 748,1313 h25 r180; DXF_0731 "Rev   : B1" at 748,1353 h25 r180; DXF_0731 "Remark: ***" at 748,1393 h25 r180
R105: DXF_0731 "1" at 975,1406.7 h16 r180; DXF_0731 "2" at 1035,1406.7 h16 r180; DXF_0731 "R0603" at 1005,1418.1 h30 r180; DXF_0731 "Approved" at 1005,1301.1 h35 r180; DXF_0731 "RC0603JR-07510RL" at 1005,1295.1 h20 r180; DXF_0731 "Sofer Lib Information" at 848,1141.1 h25 r180; DXF_0731 "Ref PN: ***" at 878,1191.1 h25 r180; DXF_0731 "Creat : Sofer Tech" at 878,1231.1 h25 r180; DXF_0731 "Date  : 2007-05-10" at 878,1271.1 h25 r180; DXF_0731 "Rev   : B1" at 878,1311.1 h25 r180; DXF_0731 "Remark: ***" at 878,1351.1 h25 r180
R106: DXF_0731 "1" at 1765,1271.4 h16; DXF_0731 "2" at 1705,1271.4 h16; DXF_0731 "R0603" at 1735,1260 h30; DXF_0731 "Approved" at 1735,1377 h35; DXF_0731 "RC0603JR-07510RL" at 1735,1383 h20; DXF_0731 "Sofer Lib Information" at 1892,1537 h25; DXF_0731 "Ref PN: ***" at 1862,1487 h25; DXF_0731 "Creat : Sofer Tech" at 1862,1447 h25; DXF_0731 "Date  : 2007-05-10" at 1862,1407 h25; DXF_0731 "Rev   : B1" at 1862,1367 h25; DXF_0731 "Remark: ***" at 1862,1327 h25
R107: DXF_0731 "2" at 1628.6,1265 h16 r180; DXF_0731 "1" at 1558.6,1265 h16 r180; DXF_0731 "Approved" at 1488,1265 h35 r180; DXF_0731 "R0805" at 1540,1340 h30 r180
R109: DXF_0731 "Remark: ***" at 658,1018 h25 r180; DXF_0731 "Rev   : B1" at 658,978 h25 r180; DXF_0731 "Date  : 2007-05-10" at 658,938 h25 r180; DXF_0731 "Creat : Sofer Tech" at 658,898 h25 r180; DXF_0731 "Ref PN: ***" at 658,858 h25 r180; DXF_0731 "Sofer Lib Information" at 628,808 h25 r180; DXF_0731 "RC0603JR-07510RL" at 785,962 h20 r180; DXF_0731 "Approved" at 785,968 h35 r180; DXF_0731 "R0603" at 785,1085 h30 r180; DXF_0731 "2" at 815,1073.6 h16 r180; DXF_0731 "1" at 755,1073.6 h16 r180
R110: DXF_0731 "Remark: ***" at 1658,1072 h25 r90; DXF_0731 "Rev   : B1" at 1618,1072 h25 r90; DXF_0731 "Date  : 2007-05-10" at 1578,1072 h25 r90; DXF_0731 "Creat : Sofer Tech" at 1538,1072 h25 r90; DXF_0731 "Ref PN: ***" at 1498,1072 h25 r90; DXF_0731 "Sofer Lib Information" at 1448,1102 h25 r90; DXF_0731 "RC0603JR-07510RL" at 1602,945 h20 r90; DXF_0731 "Approved" at 1608,945 h35 r90; DXF_0731 "R0603" at 1725,945 h30 r90; DXF_0731 "2" at 1713.6,915 h16 r90; DXF_0731 "1" at 1713.6,975 h16 r90
R111: DXF_0731 "2" at 1628.6,925 h16 r180; DXF_0731 "1" at 1558.6,925 h16 r180; DXF_0731 "Approved" at 1488,925 h35 r180; DXF_0731 "R0805" at 1540,1000 h30 r180
R112: DXF_0731 "Remark: ***" at 1018,992 h25 r90; DXF_0731 "Rev   : B1" at 978,992 h25 r90; DXF_0731 "Date  : 2007-05-10" at 938,992 h25 r90; DXF_0731 "Creat : Sofer Tech" at 898,992 h25 r90; DXF_0731 "Ref PN: ***" at 858,992 h25 r90; DXF_0731 "Sofer Lib Information" at 808,1022 h25 r90; DXF_0731 "RC0603JR-07510RL" at 962,865 h20 r90; DXF_0731 "Approved" at 968,865 h35 r90; DXF_0731 "R0603" at 1085,865 h30 r90; DXF_0731 "2" at 1073.6,835 h16 r90; DXF_0731 "1" at 1073.6,895 h16 r90
R113: DXF_0731 "1" at 1018.6,895 h16 r90; DXF_0731 "2" at 1018.6,835 h16 r90; DXF_0731 "R0603" at 1030,865 h30 r90; DXF_0731 "Approved" at 913,865 h35 r90; DXF_0731 "RC0603JR-07510RL" at 907,865 h20 r90; DXF_0731 "Sofer Lib Information" at 753,1022 h25 r90; DXF_0731 "Ref PN: ***" at 803,992 h25 r90; DXF_0731 "Creat : Sofer Tech" at 843,992 h25 r90; DXF_0731 "Date  : 2007-05-10" at 883,992 h25 r90; DXF_0731 "Rev   : B1" at 923,992 h25 r90; DXF_0731 "Remark: ***" at 963,992 h25 r90
R114: DXF_0731 "1" at 906.4,835 h16 r270; DXF_0731 "2" at 906.4,895 h16 r270; DXF_0731 "R0603" at 895,865 h30 r270; DXF_0731 "Approved" at 1012,865 h35 r270; DXF_0731 "RC0603JR-07510RL" at 1018,865 h20 r270; DXF_0731 "Sofer Lib Information" at 1172,708 h25 r270; DXF_0731 "Ref PN: ***" at 1122,738 h25 r270; DXF_0731 "Creat : Sofer Tech" at 1082,738 h25 r270; DXF_0731 "Date  : 2007-05-10" at 1042,738 h25 r270; DXF_0731 "Rev   : B1" at 1002,738 h25 r270; DXF_0731 "Remark: ***" at 962,738 h25 r270
R115: DXF_0731 "Remark: ***" at 462,673 h25 r270; DXF_0731 "Rev   : B1" at 502,673 h25 r270; DXF_0731 "Date  : 2007-05-10" at 542,673 h25 r270; DXF_0731 "Creat : Sofer Tech" at 582,673 h25 r270; DXF_0731 "Ref PN: ***" at 622,673 h25 r270; DXF_0731 "Sofer Lib Information" at 672,643 h25 r270; DXF_0731 "RC0603JR-07510RL" at 518,800 h20 r270; DXF_0731 "Approved" at 512,800 h35 r270; DXF_0731 "R0603" at 395,800 h30 r270; DXF_0731 "2" at 406.4,830 h16 r270; DXF_0731 "1" at 406.4,770 h16 r270
R116: DXF_0731 "1" at 1506.7,820 h16 r90; DXF_0731 "2" at 1506.7,760 h16 r90; DXF_0731 "R0603" at 1518.1,790 h30 r90; DXF_0731 "Approved" at 1401.1,790 h35 r90; DXF_0731 "RC0603JR-07510RL" at 1395.1,790 h20 r90; DXF_0731 "Sofer Lib Information" at 1241.1,947 h25 r90; DXF_0731 "Ref PN: ***" at 1291.1,917 h25 r90; DXF_0731 "Creat : Sofer Tech" at 1331.1,917 h25 r90; DXF_0731 "Date  : 2007-05-10" at 1371.1,917 h25 r90; DXF_0731 "Rev   : B1" at 1411.1,917 h25 r90; DXF_0731 "Remark: ***" at 1451.1,917 h25 r90
R117: DXF_0731 "Remark: ***" at 1992,588 h25 r270; DXF_0731 "Rev   : B1" at 2032,588 h25 r270; DXF_0731 "Date  : 2007-05-10" at 2072,588 h25 r270; DXF_0731 "Creat : Sofer Tech" at 2112,588 h25 r270; DXF_0731 "Ref PN: ***" at 2152,588 h25 r270; DXF_0731 "Sofer Lib Information" at 2202,558 h25 r270; DXF_0731 "RC0603JR-07510RL" at 2048,715 h20 r270; DXF_0731 "Approved" at 2042,715 h35 r270; DXF_0731 "R0603" at 1925,715 h30 r270; DXF_0731 "2" at 1936.4,745 h16 r270; DXF_0731 "1" at 1936.4,685 h16 r270
R118: DXF_0731 "1" at 1154.5,685 h16 r270; DXF_0731 "2" at 1154.5,745 h16 r270; DXF_0731 "R0603" at 1143.1,715 h30 r270; DXF_0731 "Approved" at 1260.1,715 h35 r270; DXF_0731 "RC0603JR-07510RL" at 1266.1,715 h20 r270; DXF_0731 "Sofer Lib Information" at 1420.1,558 h25 r270; DXF_0731 "Ref PN: ***" at 1370.1,588 h25 r270; DXF_0731 "Creat : Sofer Tech" at 1330.1,588 h25 r270; DXF_0731 "Date  : 2007-05-10" at 1290.1,588 h25 r270; DXF_0731 "Rev   : B1" at 1250.1,588 h25 r270; DXF_0731 "Remark: ***" at 1210.1,588 h25 r270
R119: DXF_0731 "Remark: ***" at 1155.1,588 h25 r270; DXF_0731 "Rev   : B1" at 1195.1,588 h25 r270; DXF_0731 "Date  : 2007-05-10" at 1235.1,588 h25 r270; DXF_0731 "Creat : Sofer Tech" at 1275.1,588 h25 r270; DXF_0731 "Ref PN: ***" at 1315.1,588 h25 r270; DXF_0731 "Sofer Lib Information" at 1365.1,558 h25 r270; DXF_0731 "RC0603JR-07510RL" at 1211.1,715 h20 r270; DXF_0731 "Approved" at 1205.1,715 h35 r270; DXF_0731 "R0603" at 1088.1,715 h30 r270; DXF_0731 "2" at 1099.5,745 h16 r270; DXF_0731 "1" at 1099.5,685 h16 r270
R120: DXF_0731 "1" at 1044.5,685 h16 r270; DXF_0731 "2" at 1044.5,745 h16 r270; DXF_0731 "R0603" at 1033.1,715 h30 r270; DXF_0731 "Approved" at 1150.1,715 h35 r270; DXF_0731 "RC0603JR-07510RL" at 1156.1,715 h20 r270; DXF_0731 "Sofer Lib Information" at 1310.1,558 h25 r270; DXF_0731 "Ref PN: ***" at 1260.1,588 h25 r270; DXF_0731 "Creat : Sofer Tech" at 1220.1,588 h25 r270; DXF_0731 "Date  : 2007-05-10" at 1180.1,588 h25 r270; DXF_0731 "Rev   : B1" at 1140.1,588 h25 r270; DXF_0731 "Remark: ***" at 1100.1,588 h25 r270
R121: DXF_0731 "1" at 884.5,685 h16 r270; DXF_0731 "2" at 884.5,745 h16 r270; DXF_0731 "R0603" at 873.1,715 h30 r270; DXF_0731 "Approved" at 990.1,715 h35 r270; DXF_0731 "RC0603JR-07510RL" at 996.1,715 h20 r270; DXF_0731 "Sofer Lib Information" at 1150.1,558 h25 r270; DXF_0731 "Ref PN: ***" at 1100.1,588 h25 r270; DXF_0731 "Creat : Sofer Tech" at 1060.1,588 h25 r270; DXF_0731 "Date  : 2007-05-10" at 1020.1,588 h25 r270; DXF_0731 "Rev   : B1" at 980.1,588 h25 r270; DXF_0731 "Remark: ***" at 940.1,588 h25 r270
R122: DXF_0731 "Remark: ***" at 890.1,588 h25 r270; DXF_0731 "Rev   : B1" at 930.1,588 h25 r270; DXF_0731 "Date  : 2007-05-10" at 970.1,588 h25 r270; DXF_0731 "Creat : Sofer Tech" at 1010.1,588 h25 r270; DXF_0731 "Ref PN: ***" at 1050.1,588 h25 r270; DXF_0731 "Sofer Lib Information" at 1100.1,558 h25 r270; DXF_0731 "RC0603JR-07510RL" at 946.1,715 h20 r270; DXF_0731 "Approved" at 940.1,715 h35 r270; DXF_0731 "R0603" at 823.1,715 h30 r270; DXF_0731 "2" at 834.5,745 h16 r270; DXF_0731 "1" at 834.5,685 h16 r270
R123: DXF_0731 "1" at 1843.6,2455 h16 r90; DXF_0731 "2" at 1843.6,2515 h16 r90; DXF_0731 "R0603" at 1855,2485 h30 r90; DXF_0731 "Approved" at 1738,2485 h35 r90; DXF_0731 "Sofer Lib Information" at 1578,2328 h25 r90; DXF_0731 "Ref PN: ***" at 1628,2358 h25 r90; DXF_0731 "Creat : Sofer Tech" at 1668,2358 h25 r90; DXF_0731 "Date  : 2007-05-10" at 1708,2358 h25 r90; DXF_0731 "Rev   : B1" at 1748,2358 h25 r90; DXF_0731 "Remark: ***" at 1788,2358 h25 r90
R124: DXF_0731 "Remark: ***" at 1718,2218 h25 r90; DXF_0731 "Rev   : B1" at 1678,2218 h25 r90; DXF_0731 "Date  : 2007-05-10" at 1638,2218 h25 r90; DXF_0731 "Creat : Sofer Tech" at 1598,2218 h25 r90; DXF_0731 "Ref PN: ***" at 1558,2218 h25 r90; DXF_0731 "Sofer Lib Information" at 1508,2188 h25 r90; DXF_0731 "RC0603JR-07510RL" at 1662,2345 h20 r90; DXF_0731 "Approved" at 1668,2345 h35 r90; DXF_0731 "R0603" at 1785,2345 h30 r90; DXF_0731 "2" at 1773.6,2375 h16 r90; DXF_0731 "1" at 1773.6,2315 h16 r90
R129: DXF_0731 "Remark: ***" at 1778,1732 h25; DXF_0731 "Rev   : B1" at 1778,1772 h25; DXF_0731 "Date  : 2007-05-10" at 1778,1812 h25; DXF_0731 "Creat : Sofer Tech" at 1778,1852 h25; DXF_0731 "Ref PN: ***" at 1778,1892 h25; DXF_0731 "Sofer Lib Information" at 1748,1942 h25; DXF_0731 "RC0603JR-07510RL" at 1905,1788 h20; DXF_0731 "Approved" at 1905,1782 h35; DXF_0731 "R0603" at 1905,1665 h30; DXF_0731 "2" at 1935,1676.4 h16; DXF_0731 "1" at 1875,1676.4 h16
R130: DXF_0731 "1" at 1875,1731.4 h16; DXF_0731 "2" at 1935,1731.4 h16; DXF_0731 "R0603" at 1905,1720 h30; DXF_0731 "Approved" at 1905,1837 h35; DXF_0731 "RC0603JR-07510RL" at 1905,1843 h20; DXF_0731 "Sofer Lib Information" at 1748,1997 h25; DXF_0731 "Ref PN: ***" at 1778,1947 h25; DXF_0731 "Creat : Sofer Tech" at 1778,1907 h25; DXF_0731 "Date  : 2007-05-10" at 1778,1867 h25; DXF_0731 "Rev   : B1" at 1778,1827 h25; DXF_0731 "Remark: ***" at 1778,1787 h25
SB1: DXF_0731 "2" at 1846.93,2372 h16 r90; DXF_0731 "1" at 1846.93,2318 h16 r90
SB2: DXF_0731 "2" at 3211.17,2168 h16 r270; DXF_0731 "1" at 3211.17,2222 h16 r270
SB3: DXF_0731 "1" at 3410.03,2103 h16 r90; DXF_0731 "2" at 3410.03,2157 h16 r90
SB4: DXF_0731 "2" at 3745.03,2152 h16 r90; DXF_0731 "1" at 3745.03,2098 h16 r90
SB5: DXF_0731 "1" at 3805.03,2098 h16 r90; DXF_0731 "2" at 3805.03,2152 h16 r90
SB6: DXF_0731 "1" at 3865.03,2098 h16 r90; DXF_0731 "2" at 3865.03,2152 h16 r90
SB7: DXF_0731 "2" at 3745.03,2007 h16 r90; DXF_0731 "1" at 3745.03,1953 h16 r90
SB8: DXF_0731 "2" at 3805.03,2007 h16 r90; DXF_0731 "1" at 3805.03,1953 h16 r90
SB9: DXF_0731 "2" at 3865.03,2007 h16 r90; DXF_0731 "1" at 3865.03,1953 h16 r90
SB11: DXF_0731 "1" at 4206.93,1653 h16 r90; DXF_0731 "2" at 4206.93,1707 h16 r90
SB12: DXF_0731 "1" at 1935.1,1621.93 h16 r180; DXF_0731 "2" at 1881.1,1621.93 h16 r180
SB13: DXF_0731 "1" at 4741.17,1157 h16 r270; DXF_0731 "2" at 4741.17,1103 h16 r270
SB14: DXF_0731 "1" at 2192,741.93 h16 r180; DXF_0731 "2" at 2138,741.93 h16 r180
SB15: DXF_0731 "2" at 2138,681.93 h16 r180; DXF_0731 "1" at 2192,681.93 h16 r180
SB16: DXF_0731 "2" at 3166.17,523 h16 r270; DXF_0731 "1" at 3166.17,577 h16 r270
SB17: DXF_0731 "1" at 926.17,2443 h16 r270; DXF_0731 "2" at 926.17,2497 h16 r270
SB18: DXF_0731 "1" at 1302,2118.07 h16; DXF_0731 "2" at 1248,2118.07 h16
SB19: DXF_0731 "2" at 877,1981.93 h16 r180; DXF_0731 "1" at 823,1981.93 h16 r180
SB20: DXF_0731 "1" at 767,1723.07 h16; DXF_0731 "2" at 713,1723.07 h16
SB21: DXF_0731 "2" at 767,1576.93 h16 r180; DXF_0731 "1" at 713,1576.93 h16 r180
SB22: DXF_0731 "1" at 767,1503.07 h16; DXF_0731 "2" at 713,1503.07 h16
SB24: DXF_0731 "1" at 1128.07,838 h16 r270; DXF_0731 "2" at 1128.07,892 h16 r270
SB25: DXF_0731 "2" at 1805.03,533 h16 r90; DXF_0731 "1" at 1805.03,587 h16 r90
SB26: DXF_0731 "2" at 1745.03,533 h16 r90; DXF_0731 "1" at 1745.03,587 h16 r90
SB27: DXF_0731 "2" at 1665.03,533 h16 r90; DXF_0731 "1" at 1665.03,587 h16 r90
SB28: DXF_0731 "1" at 1605.03,587 h16 r90; DXF_0731 "2" at 1605.03,533 h16 r90
SW1: DXF_0731 "4" at 4221.7,475 h16 r270; DXF_0731 "5" at 4521.7,475 h16 r270; DXF_0731 "8" at 4521.7,775 h16 r270; DXF_0731 "7" at 4521.7,675 h16 r270; DXF_0731 "3" at 4221.7,575 h16 r270; DXF_0731 "1" at 4221.7,775 h16 r270; DXF_0731 "2" at 4221.7,675 h16 r270; DXF_0731 "6" at 4521.7,575 h16 r270; DXF_0731 "Sofer Lib Information" at 4960.1,841 h25 r270; DXF_0731 "Ref PN: EDG-501S&78H01T" at 4910.1,811 h25 r270; DXF_0731 "Creat : Ziv" at 4870.1,811 h25 r270; DXF_0731 "Date  : 2016-06-02" at 4830.1,811 h25 r270; DXF_0731 "Rev   : A1" at 4790.1,811 h25 r270; DXF_0731 "Remark: D031-023A1" at 4750.1,811 h25 r270; DXF_0731 "SW1_11R7X9R7-12R2X9R65-HDR_CPT" at 3673.1,605 h30 r270; DXF_0731 "2.54" at 4590.1,649 h16 r270; DXF_0731 "7.62" at 4380.1,924 h16 r270; DXF_0731 "12.2" at 4670.1,654 h16 r270; DXF_0731 "11.7" at 4625.1,649 h16 r270; DXF_0731 "9.65" at 4380.1,979 h16 r270; DXF_0731 "9.7" at 4380.1,1023 h16 r270; Top Overlay "4" at 4148.1,485 h25 r270; Top Overlay "5" at 4583.1,485 h25 r270; Top Overlay "8" at 4575,815 h25 r270
T1: DXF_0731 "3" at 1678.6,2403.31 h16; DXF_0731 "1" at 1641.2,2316.69 h16; DXF_0731 "2" at 1716,2316.69 h16; DXF_0731 "BSN20" at 1615,2250 h30; DXF_0731 "Approved" at 1573,2360 h35; DXF_0731 "SOT-23" at 1596,2245 h35; DXF_0731 "Sofer Lib Information" at 1600,2660 h25; DXF_0731 "Remark: Updated pin size by Jacky" at 1630,2450 h25; DXF_0731 "Rev   : B2" at 1630,2490 h25; DXF_0731 "Date  : 2009-09-28" at 1630,2530 h25; DXF_0731 "Creat : Sofer Tech" at 1630,2570 h25; DXF_0731 "Ref PN: ***" at 1630,2610 h25
T2: DXF_0731 "2" at 4741,1356.69 h16; DXF_0731 "1" at 4666.2,1356.69 h16; DXF_0731 "3" at 4703.6,1443.31 h16; DXF_0731 "Approved" at 4598,1400 h35; DXF_0731 "SOT-23" at 4621,1285 h35; DXF_0731 "Sofer Lib Information" at 4625,1700 h25; DXF_0731 "Remark: Updated pin size by Jacky" at 4655,1490 h25; DXF_0731 "Rev   : B2" at 4655,1530 h25; DXF_0731 "Date  : 2009-09-28" at 4655,1570 h25; DXF_0731 "Creat : Sofer Tech" at 4655,1610 h25; DXF_0731 "Ref PN: ***" at 4655,1650 h25
T3: DXF_0731 "1" at 2704.1,338.31 h16 r180; DXF_0731 "3" at 2666.7,251.69 h16 r180; DXF_0731 "2" at 2629.3,338.31 h16 r180; DXF_0731 "Approved" at 2561.1,295 h35 r180; DXF_0731 "SOT-23" at 2594.1,410 h35 r180; DXF_0731 "Sofer Lib Information" at 2758.1,-5 h25 r180; DXF_0731 "Remark: Updated pin size by Jacky" at 2728.1,205 h25 r180; DXF_0731 "Rev   : B2" at 2728.1,165 h25 r180; DXF_0731 "Date  : 2009-09-28" at 2728.1,125 h25 r180; DXF_0731 "Creat : Sofer Tech" at 2728.1,85 h25 r180; DXF_0731 "Ref PN: ***" at 2728.1,45 h25 r180